# KiCad board main.kicad_pcb (continued)
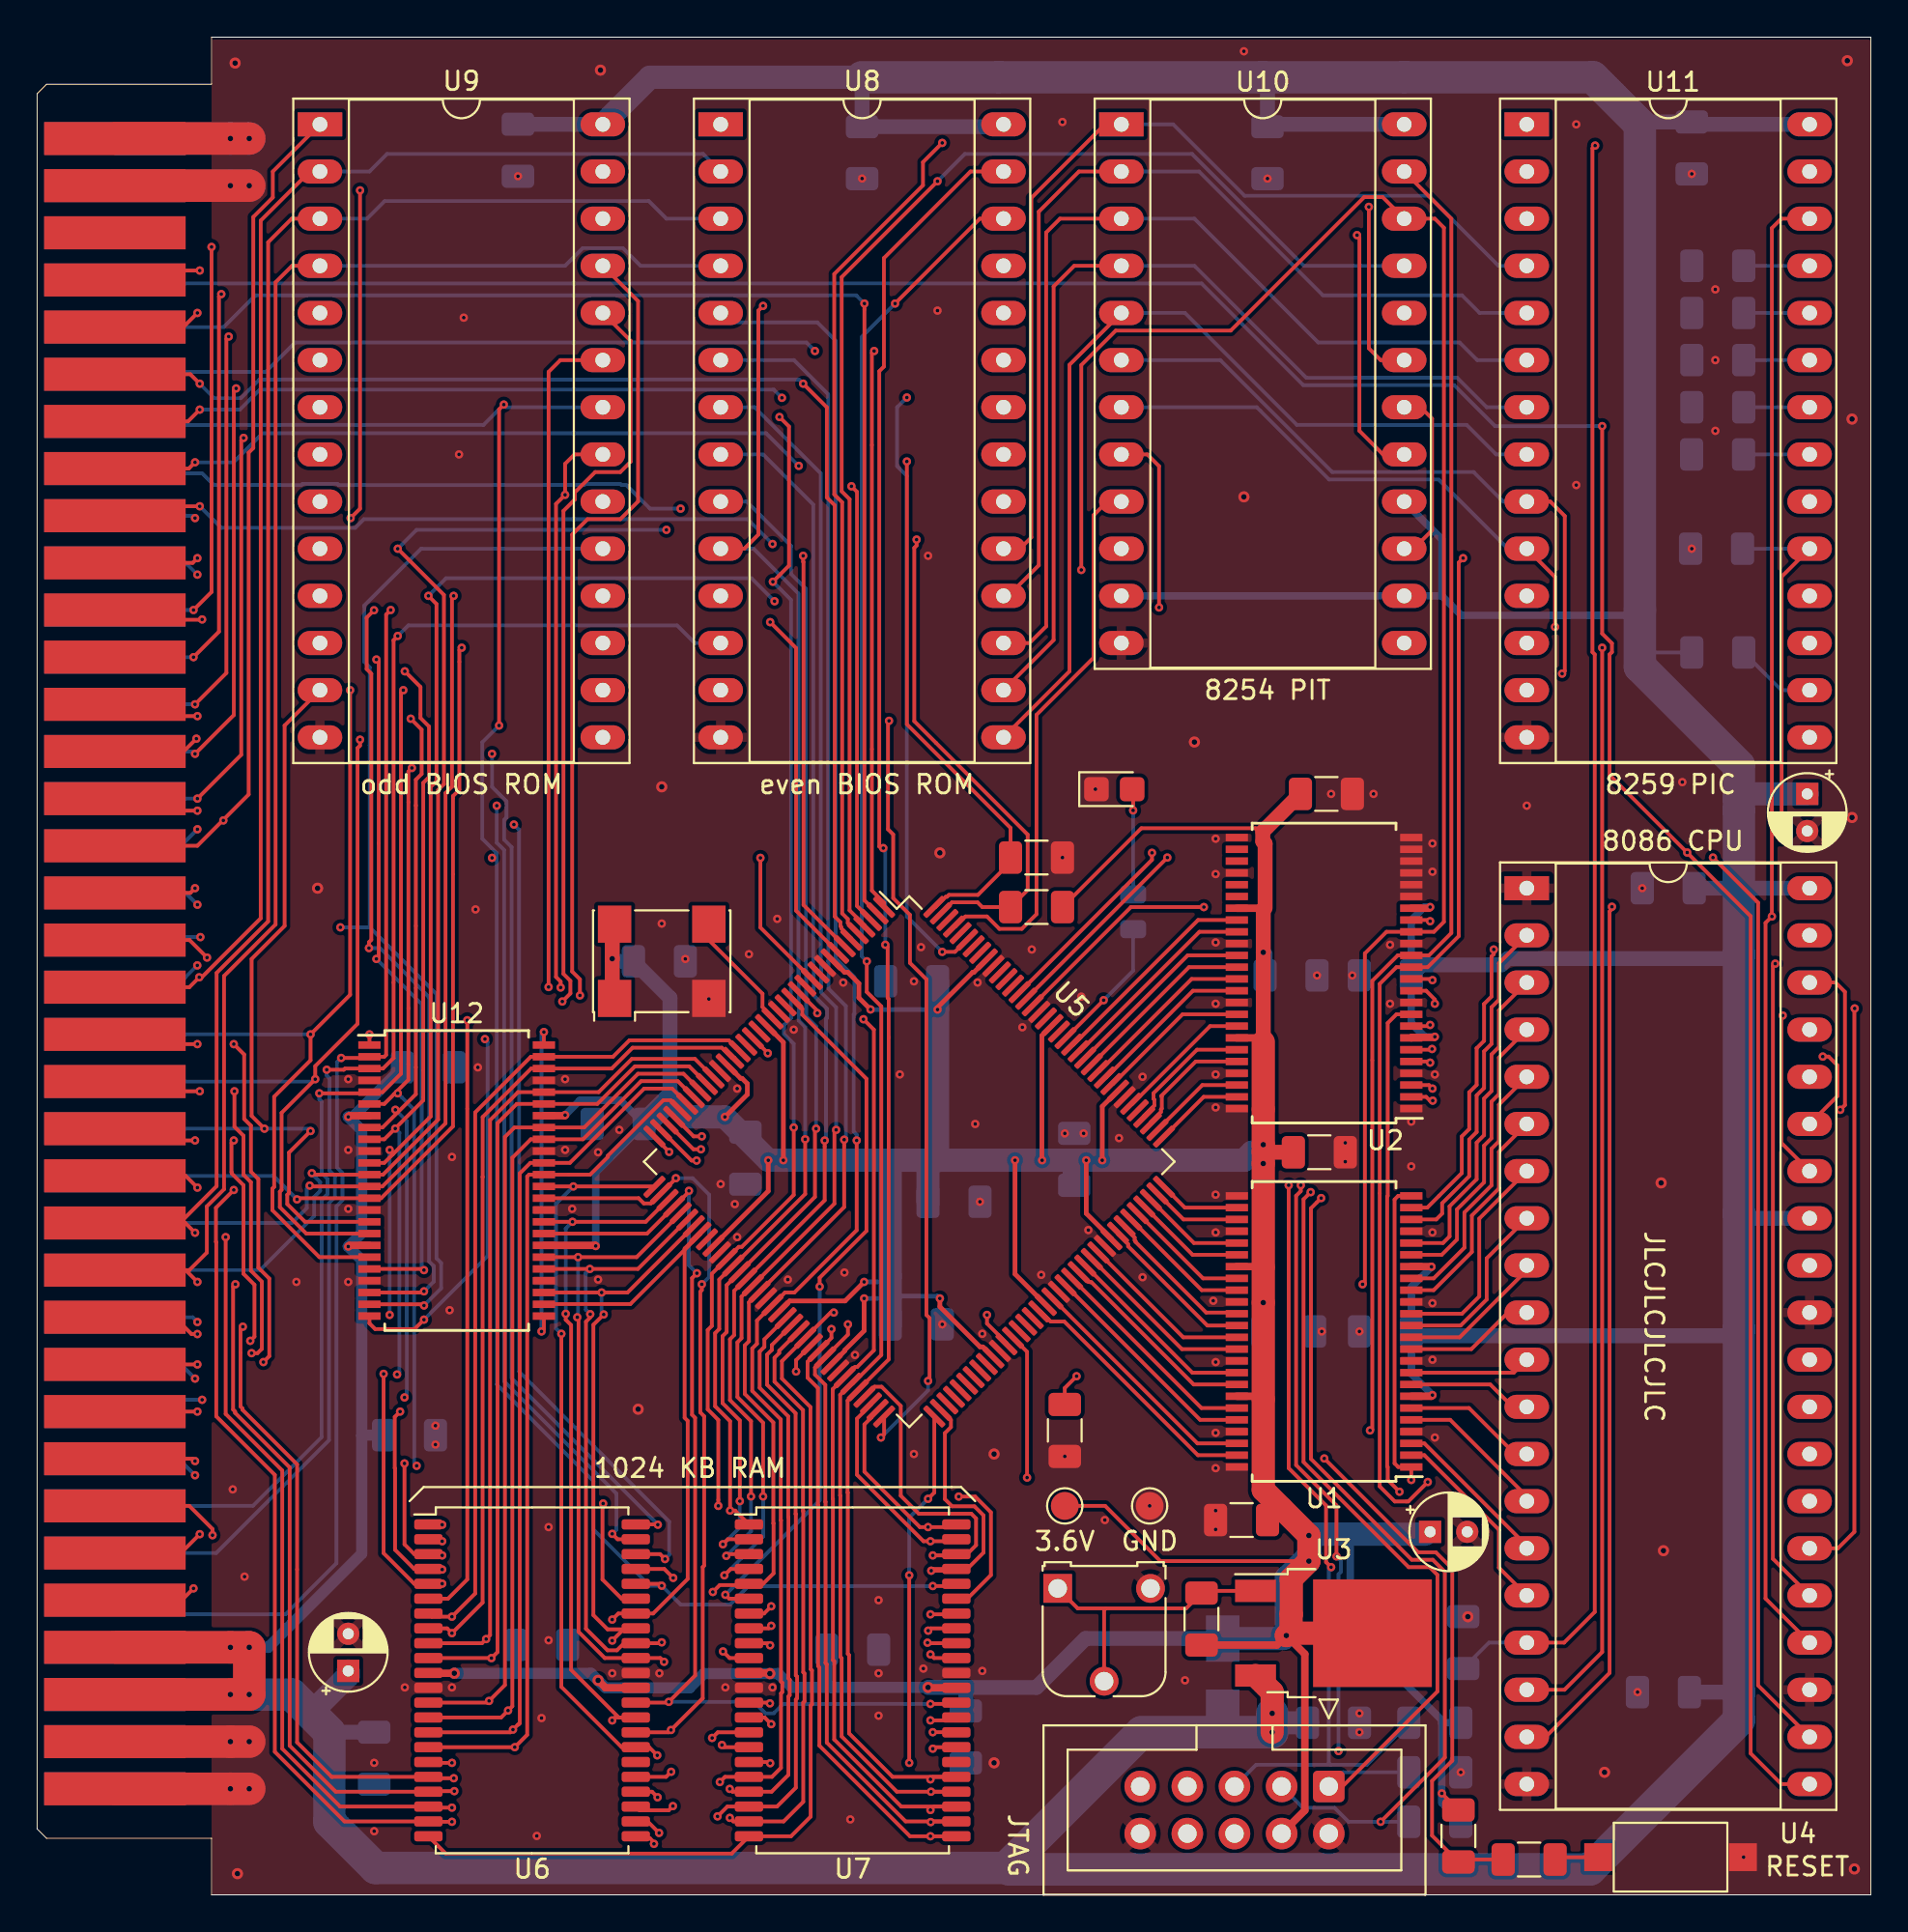
[diagram p0: board, top side]
## Routing (per net, layer and track width the routed paths; a pad name or vN(x,y) marks a point on that pad's centre or on a via; arc(x,y) is an arc through that point) (continued)
IRQ3: length 113.3
  Top w0.2: v1(11.12,78.49) 11,78.36 11,61.42 v1(8.64,59.06)
  In2.Cu w0.2: v1(11.12,78.49) 11.56,78.49 11.62,78.55 81.21,78.55 82.16,77.6 U11.21
  Bottom w0.2: X2.58 v1(8.64,59.05) ; U11.21 R10.1
IRQ4: length 115.6
  Top w0.2: v1(8.51,61.47) 10.6,63.56 10.6,81.03 v1(10.72,81.15)
  In2.Cu w0.2: U11.22 93.71,78.34 84.33,78.34 83.72,78.95 39.91,78.95 37.53,81.33 35.72,81.33 35.39,81.66 11.23,81.66 v1(10.72,81.15)
  Bottom w0.2: X2.59 8.38,61.59 v1(8.51,61.47) ; U11.22 R11.1
IRQ5: length 114.3
  Top w0.2: v1(8.51,64.13) 10.2,65.82 10.2,83.82 v1(10.32,83.95)
  In2.Cu w0.2: v1(10.32,83.95) 10.58,84.2 33.4,84.2 33.91,83.69 94.49,83.69 U11.23
  Bottom w0.2: X2.60 v1(8.51,64.13) ; U11.23 92.01,82.68
IRQ6: length 114.6
  Top w0.2: v1(8.43,66.67) 9.8,68.05 9.8,86.11 v1(9.92,86.23)
  In2.Cu w0.2: v1(9.92,86.23) 10.43,86.74 35.39,86.74 35.72,86.41 37.94,86.41 38.27,86.74 80.63,86.74 82.16,85.22 U11.24
  Bottom w0.2: U11.24 92.02,85.22 ; v1(8.43,66.67) X2.61
IRQ7: length 114.3
  Top w0.2: v1(9.4,88.77) 9.4,70.19 v1(8.43,69.22)
  In2.Cu w0.2: v1(9.4,88.77) 94.49,88.77 U11.25
  Bottom w0.2: R14.1 U11.25 ; X2.62 v1(8.43,69.22)
LAD0: length 13.8
  Top w0.2: U5.89 54.07,31.43 54.61,30.88 55.35,30.88 62.55,23.69 U1.47
LAD1: length 13.2
  Top w0.2: U1.46 62.52,24.32 U5.91
LAD2: length 12.2
  Top w0.2: U5.93 62.66,25.59 U1.44
LAD3: length 11.8
  Top w0.2: U1.43 62.74,26.23 U5.94
LAD4: length 11
  Top w0.2: U5.95 56.65,33.02 56.72,33.02 56.73,33.01 56.8,33.01 62.31,27.5 U1.41
LAD5: length 10.6
  Top w0.2: U1.40 62.25,28.13 U5.96
LAD6: length 9.8
  Top w0.2: U1.38 61.68,29.4 U5.97
LAD7: length 9.4
  Top w0.2: U5.98 61.75,30.04 U1.37
LAD8: length 8.6
  Top w0.2: U5.101 58.24,35.6 58.78,35.06 58.78,34.94 63.06,30.67 U1.36
LAD9: length 8.2
  Top w0.2: U1.35 64.2,31.31 64.13,31.37 62.99,31.37 59.18,35.18 59.18,35.22 59.14,35.27 59.14,35.41 58.6,35.95 U5.102
LAD10: length 7.3
  Top w0.2: U1.33 62.75,32.58 U5.103
LAD11: length 6.8
  Top w0.2: U1.32 62.82,33.21 U5.104
LAD12: length 6.1
  Top w0.2: U5.105 62.26,34.48 U1.30
LAD13: length 5.6
  Top w0.2: U5.106 62.33,35.12 U1.29
LAD14: length 4.9
  Top w0.2: U5.107 61.77,36.39 U1.27
LAD15: length 4.4
  Top w0.2: U5.108 61.84,37.02 U1.26
LAD16: length 4.8
  Top w0.2: U5.109 62.86,42.99 U2.47
LAD17: length 5.3
  Top w0.2: U5.110 62.78,43.62 U2.46
LAD18: length 6.6
  Top w0.2: U2.44 62.43,44.89 60.57,43.03 60.6,43 60.6,42.36 60.55,42.31 60.55,42.17 60.01,41.63 U5.111
LAD19: length 7
  Top w0.2: U2.43 62.5,45.53 60.15,43.18 60.15,42.88 60.2,42.83 60.2,42.52 59.66,41.98 U5.112
LD0: length 64.1
  Top w0.2: U5.23 37.27,46.03 31.92,46.03 31.03,45.15 U12.47 26.6,45.15 23.6,42.15 23.6,16.24 v1(22.35,14.99) 21.25,14.99 U6.7 ; U7.7 39.17,15.16 v1(39.56,15.55)
  In2.Cu w0.2: v1(22.35,14.99) 23.09,15.73 36.74,15.73 36.83,15.64 39.46,15.64 v1(39.56,15.55)
LD1: length 64.3
  Top w0.2: U5.24 37.58,45.09 37.44,45.09 36.89,45.63 32.08,45.63 30.96,44.51 U12.46 26.62,44.51 24.01,41.9 24.01,38.67 24,38.67 24,15.75 v1(22.35,14.1) 22.09,14.36 U6.8 ; U7.8 39.42,14.36 v1(39.56,14.49)
  In2.Cu w0.2: v1(39.56,14.49) 38.14,14.49 37.8,14.84 36.5,14.84 36.41,14.93 32.96,14.93 32.34,14.3 22.56,14.3 v1(22.35,14.1)
LD2: length 62.5
  Top w0.2: U6.9 23.97,13.56 v1(24.19,13.78) 24.41,13.99 24.41,41.74 25.91,43.24 U12.44 30.26,43.24 32.05,45.03 35.44,45.03 U5.27 ; U7.9 39.38,13.56 v1(39.49,13.44)
  In2.Cu w0.2: v1(39.49,13.44) 38.06,13.44 37.47,14.04 36.17,14.04 36.08,14.13 33.38,14.13 32.41,13.16 24.82,13.16 v1(24.19,13.78)
LD3: length 59.5
  Top w0.2: U6.10 24.48,12.76 v1(24.48,12.75) 24.81,13.08 24.81,41.57 25.84,42.61 U12.43 30.19,42.61 32.21,44.63 35.14,44.63 U5.28 ; U7.10 37.31,12.76 v1(36.96,13.11)
  In2.Cu w0.2: v1(24.48,12.75) 33.2,12.75 33.53,13.08 36.92,13.08 v1(36.96,13.11)
LD4: length 63.1
  Top w0.2: U5.29 34.83,44.23 32.38,44.23 29.48,41.34 U12.41 25.72,41.34 25.21,40.83 25.21,11.3 v1(24.35,10.45) 24.26,10.36 U6.13 ; U7.13 39.44,10.36 v1(39.48,10.32)
  In2.Cu w0.2: v1(39.48,10.32) 34.89,10.32 34.29,10.92 24.82,10.92 v1(24.35,10.45)
LD5: length 62.2
  Top w0.2: U7.14 39.2,9.56 v1(39.56,9.2) ; U6.14 25,9.56 v1(25.38,9.93) 25.61,10.16 25.61,39.71 26.6,40.7 U12.40 29.41,40.7 32.54,43.83 34.52,43.83 U5.30
  In2.Cu w0.2: v1(39.56,9.2) 38.88,9.87 32.72,9.87 32.44,10.16 25.6,10.16 v1(25.38,9.93)
LD6: length 59.1
  Top w0.2: U5.31 34.21,43.43 32.71,43.43 28.71,39.43 U12.38 26.58,39.43 26.01,38.86 26.01,9.24 25.94,9.17 25.91,9.17 v1(25.64,8.9) 25.49,8.76 U6.15 ; U7.15 36.67,8.76 v1(36.37,8.45)
  In2.Cu w0.2: v1(36.37,8.45) 36.27,8.36 33.88,8.36 33.55,8.68 25.86,8.68 v1(25.64,8.9)
LD7: length 58.9
  Top w0.2: U7.16 37.02,7.96 v1(36.9,8.07) ; U5.32 34.13,42.81 33.74,42.81 30.75,39.82 30.75,39.75 29.8,38.8 U12.37 26.51,38.8 26.41,38.7 26.41,8.63 v1(25.74,7.96) U6.16
  In2.Cu w0.2: v1(36.9,8.07) 36.75,7.93 36.12,7.93 36.09,7.96 33.71,7.96 33.45,8.21 25.99,8.21 v1(25.74,7.96)
LD8: length 56.4
  Top w0.2: U12.36 v1(28.89,38.16) 33.24,38.16 U5.37 ; U7.29 48.34,7.96 v1(48.26,7.87) ; v1(28.25,30.23) 28.25,11.21 31.49,7.96 U6.29 32.97,7.96 v1(33.41,7.52)
  In2.Cu w0.2: v1(48.26,7.87) 37.47,7.87 37.13,7.53 35.95,7.53 35.92,7.56 33.45,7.56 v1(33.41,7.52)
  Bottom w0.2: v1(28.89,38.16) 27.96,37.23 27.96,30.52 v1(28.25,30.23)
LD9: length 57.7
  Top w0.2: U6.30 34.03,8.76 v1(34.15,8.88) 34.16,8.88 35.86,10.59 35.86,17.66 35.94,17.74 35.94,25.78 35.73,25.99 35.73,32.49 35.81,32.57 v1(35.81,32.89) ; v1(34.42,38.61) 34.42,38.59 U5.38 33.07,37.25 32.69,37.25 32.41,37.53 U12.35 ; U7.30 49.52,8.76 v1(48.26,8.76)
  In2.Cu w0.2: v1(34.15,8.88) 34.25,8.98 36.91,8.98 37.61,8.27 47.77,8.27 v1(48.26,8.76)
  Bottom w0.2: v1(34.42,38.61) 35.32,38.61 36.21,37.71 36.21,33.29 v1(35.81,32.89)
LD10: length 56.7
  Top w0.2: v1(48.13,9.4) 49.37,9.4 U7.31 ; U5.39 32.79,36.26 v1(28.85,36.26) U12.33 ; v1(30.99,9.4) 31.15,9.56 U6.31 31.34,9.56 28.77,12.12 28.77,30.69 28.48,30.98 v1(28.48,31.3)
  In2.Cu w0.2: v1(48.13,9.4) 47.41,8.67 37.78,8.67 37.04,9.41 31,9.41 v1(30.99,9.4)
  Bottom w0.2: v1(28.48,31.3) 28.48,35.89 v1(28.85,36.26)
LD11: length 55.1
  Top w0.2: v1(48.13,10.29) 49.46,10.29 U7.32 ; v1(35.55,33.49) 35.29,33.23 35.29,25.87 35.45,25.7 35.45,11.82 v1(34.04,10.4) 34,10.36 U6.32 ; v1(35.12,37.93) 35.12,37.88 U5.40 32.86,35.62 U12.32
  Bottom w0.2: v1(35.12,37.93) 35.12,33.91 v1(35.55,33.49) ; v1(34.04,10.4) 38.63,10.4 39.24,9.78 39.69,9.78 40.2,10.29 v1(48.13,10.29)
LD12: length 49.9
  Top w0.2: v1(33.78,12.55) 33.58,12.76 U6.35 30.59,12.76 29.17,14.17 29.17,31.05 v1(29.11,31.12) ; U7.35 48.33,12.76 v1(48.13,12.95) ; U12.30 v1(29.15,34.35) 32.3,34.35 U5.41
  In2.Cu w0.2: v1(48.13,12.95) 40.35,12.95 39.91,12.52 33.82,12.52 v1(33.78,12.55)
  Bottom w0.2: v1(29.11,31.12) 29.15,31.16 v1(29.15,34.35)
LD13: length 49.7
  Top w0.2: v1(47.98,13.58) 48,13.56 U7.36 ; U5.42 32.37,33.72 v1(29.78,33.72) U12.29 ; v1(33.66,13.6) 33.61,13.56 U6.36 31.62,13.56 31.24,13.17 30.74,13.17 29.57,14.34 29.57,30.88 29.8,31.11 v1(29.8,31.28)
  In2.Cu w0.2: v1(47.98,13.58) 47.75,13.36 40.19,13.36 39.75,12.92 37.93,12.92 37.21,13.64 33.69,13.64 v1(33.66,13.6)
  Bottom w0.2: v1(29.78,33.72) 29.56,33.49 29.56,31.53 v1(29.8,31.28)
LD14: length 50.7
  Top w0.2: v1(30.53,31.27) 29.97,30.71 29.97,15.07 30.74,14.3 32.21,14.3 U6.37 31.65,14.36 v1(30.99,13.7) ; v1(48.01,14.23) 48.14,14.36 U7.37 ; U12.27 v1(30.42,32.45) 31.81,32.45 U5.43
  In2.Cu w0.2: v1(30.99,13.7) 32.3,13.7 33.13,14.53 36.24,14.53 36.33,14.44 37.63,14.44 38.1,13.97 47.43,13.97 47.69,14.23 v1(48.01,14.23)
  Bottom w0.2: v1(30.53,31.27) 30.42,31.38 v1(30.42,32.45)
LD15: length 53
  Top w0.2: v1(48.13,15.11) 49.49,15.11 U7.38 ; U12.26 27.32,31.83 31.97,31.83 35.74,35.6 U5.44 34.89,34.82 34.89,25.7 35.05,25.54 35.05,17.02 33.19,15.16 U6.38 31.32,15.16 v1(30.99,14.83)
  In2.Cu w0.2: v1(48.13,15.11) 47.81,15.11 47.72,15.02 39.3,15.02 39.08,15.24 36.67,15.24 36.58,15.33 31.49,15.33 v1(30.99,14.83)
M_~{IO}: length 152.5
  Top w0.2: v1(76.84,72.01) 76.6,71.77 76.6,51.65 74.92,49.97 U2.13 73.24,49.97 72.34,49.07 72.34,22 73.15,21.19 73.88,21.19 v1(74.93,22.24)
  In2.Cu w0.2: v1(76.84,72.01) 76.39,71.57 61.46,71.57 58.96,74.07 35.28,74.07 v1(34.67,74.68) ; U4.28 94.11,23.75 93.16,22.8 75.49,22.8 v1(74.93,22.24)
  Bottom w0.2: v1(34.67,74.68) 33.02,74.68 31.75,75.95 31.48,75.95 31.42,76.01 29.54,76.01 29.48,75.95 16.24,75.95 16.18,76.01 14.3,76.01 14.24,75.95 9.52,75.95 8.89,76.58 4.45,76.58 X2.65
M_~{IO}_3: length 10
  Top w0.2: U5.120 62.06,49.97 U2.36
NMI: length 174.3
  Top w0.2: U4.17 82.28,13.59 83.93,15.24 83.93,66.82 83.8,66.95 83.8,94.09 v1(83.95,94.23) ; v1(8.64,85.22) 7.87,84.45 X2.32
  In2.Cu w0.2: v1(83.95,94.23) 83.57,93.85 38.27,93.85 37.94,94.19 35.72,94.19 35.39,93.85 18.65,93.85 16.1,91.3 10.58,91.3 8.24,88.96 8.24,85.62 v1(8.64,85.22)
  Bottom w0.2: U4.17 78.23,13.59 R6.1
PCLK: length 76.3
  Top w0.2: U5.139 49.45,50.8 v1(48.77,50.8) ; v1(8.76,80.01) 8.13,79.38 X2.30
  In2.Cu w0.2: v1(40.13,80.64) 46.85,80.64 v1(46.86,80.66)
  Bottom w0.2: v1(40.13,80.64) 39.69,81.09 12,81.09 10.92,80.01 v1(8.76,80.01) ; v1(46.86,80.66) 46.34,80.14 46.34,76.96 46.86,76.44 46.86,52.7 v1(48.77,50.8)
PIT_CLK: length 55.8
  Top w0.2: U5.141 49.47,52.16 50.02,52.71 51.18,52.71 51.85,52.04 53.05,52.04 53.85,52.83 53.85,63.57 56.92,66.64 56.92,74.32 57.66,75.06 U10.9 ; U10.15 74.17,72.52 75.16,73.51 75.16,79.53 74.55,80.14 U10.18
  In2.Cu w0.2: U10.9 60.07,75.06 62.61,72.52 U10.15
RDY1: length 71.6
  Top w0.2: U5.143 49.29,53.47 50.67,53.47 50.93,53.21 R8.2 53.37,54.14 53.37,57.12 47.26,63.23 47.26,72.56 47.39,72.69 v1(47.39,73.01) ; v1(8.76,74.8) 4.7,74.8 X2.28
  In2.Cu w0.2: v1(39.62,72.77) 39.86,73.01 v1(47.39,73.01)
  Bottom w0.2: v1(8.76,74.8) 9.92,73.64 17.14,73.64 17.61,74.11 38.29,74.11 v1(39.62,72.77)
RDY2: length 73.3
  Top w0.2: v1(46.86,77.22) 46.86,63.06 52.45,57.48 R7.2 52.45,55.62 50.69,53.87 49.13,53.87 49.03,53.77 48.96,53.77 48.41,53.22 U5.144 ; v1(8.51,77.17) 8.17,76.83 X2.29
  In2.Cu w0.2: v1(41.04,76.98) 46.63,76.98 v1(46.86,77.22)
  Bottom w0.2: v1(41.04,76.98) 39.28,78.74 12.15,78.74 10.59,77.17 v1(8.51,77.17)
READY: length 89.9
  Top w0.2: v1(90.3,55.88) 92.73,53.45 92.73,11.28 U4.22 ; v1(60.9,55.88) 60.9,55.88 U5.130
  In2.Cu w0.2: v1(90.3,55.88) 90.04,55.63 75.45,55.63 75.44,55.64 74.93,55.64 74.91,55.63 61.15,55.63 v1(60.9,55.88)
RESET: length 201.8
  Top w0.2: v1(60.07,56.13) 60.07,55.76 U5.131 ; U4.21 93.98,5.97 92.33,7.62 92.33,52.72 84.73,60.33 84.73,66.82 84.85,66.95 84.85,67.42 84.33,67.94 v1(84.33,79.12)
  In2.Cu w0.2: v1(88.91,56.15) 88.78,56.03 75.69,56.03 75.67,56.04 74.77,56.04 74.75,56.03 61.53,56.03 61.15,56.41 60.34,56.41 v1(60.07,56.13)
  Bottom w0.2: X2.69 4.38,86.81 62.74,86.81 68.22,81.33 76.35,81.33 78.56,79.12 v1(84.33,79.12)
TCK: length 82.2
  Top w0.2: v1(35.53,39.56) 35.26,39.56 U5.35 ; v1(68.62,37.86) 68.24,37.47 68.24,23.32 73.9,17.65 75.03,17.65 75.45,17.24 75.45,10.96 70.34,5.84 J1.1
  In2.Cu w0.2: v1(68.62,37.86) 68.46,37.86 67.8,37.19 63.25,37.19 62.45,38 40.79,38 39.37,36.58 37.21,36.58 35.53,38.25 v1(35.53,39.56)
  Bottom w0.2: J1.1 70.36,6.6 R1.1
TDI: length 79.1
  Top w0.2: U5.34 35.36,40.16 v1(35.77,40.16) ; v1(68.09,38.23) 68.09,37.91 67.84,37.66 67.84,23.15 70.01,20.98 v1(70.01,18.24)
  In2.Cu w0.2: v1(68.09,38.23) 68.09,38.1 67.69,37.7 67.2,37.7 66.51,38.4 37.53,38.4 v1(35.77,40.16) ; v1(70.12,7.75) 61.34,7.75 J1.9
  Bottom w0.2: v1(70.01,18.24) 70.25,18 70.25,17.4 70.12,17.27 v1(70.12,7.75)
TDO: length 86.2
  Top w0.2: v1(69.19,37.54) 68.64,36.99 68.64,23.48 74.07,18.05 75.2,18.05 75.85,17.4 75.85,7.4 v1(72.39,3.94) ; U5.36 33.26,40.81 v1(34.05,40.02)
  In2.Cu w0.2: v1(69.19,37.54) 68.33,36.68 40.04,36.68 39.54,36.18 36.09,36.18 33.83,38.43 33.83,39.8 v1(34.05,40.02)
  Bottom w0.2: J1.3 68.21,4.69 69.91,4.69 70.66,3.94 v1(72.39,3.94) R2.2
TMR2: length 82.3
  Top w0.2: v1(8.76,87.5) 4.7,87.5 X2.33 ; U10.17 72.52,77.6 71.25,78.87 71.25,89.28 v1(71.12,89.41)
  In2.Cu w0.2: v1(71.12,89.41) 71.06,89.34 9.19,89.34 8.76,88.92 v1(8.76,87.5)
TMS: length 77.7
  Top w0.2: v1(69.72,17.65) 69.45,17.93 69.45,20.97 67.44,22.99 v1(67.44,38.23) ; v1(35.81,40.86) 35.37,40.86 U5.33
  In2.Cu w0.2: v1(67.44,38.23) 66.87,38.8 37.88,38.8 v1(35.81,40.86)
  Bottom w0.2: 69.7,7 69.6,7.11 69.6,17.53 v1(69.72,17.65) ; 69.7,7 65.68,7 J1.5 ; 69.7,7 71.64,7 R3.2
~{BHE}: length 136.1
  Top w0.2: v1(24.89,62.99) 24.89,80.03 v1(25.15,80.28) ; U7.40 49.41,16.64 v1(48.26,16.64) ; U6.40 33.55,16.76 v1(33.66,16.65) ; U5.12 38.97,52.11 v1(38.97,55.86)
  In2.Cu w0.2: v1(38.97,55.86) v1(24.51,55.86)
  Bottom w0.2: 24.77,56.11 24.76,56.11 v1(24.51,55.86) ; 24.77,56.11 23.99,56.89 23.99,62.09 v1(24.89,62.99) ; 24.77,56.11 24.77,27.5 29.97,22.29 29.97,19.69 33,16.65 v1(33.66,16.65) 34.67,15.64 37.34,15.64 38.33,16.64 v1(48.26,16.64) ; X2.66 4.38,79.19 24.05,79.19 v1(25.15,80.28) 25.29,80.14 U9.22
~{BHE}_S7: length 29.5
  Top w0.2: v1(94.05,47.37) 93.98,47.3 93.98,40.51 U4.34 ; U2.8 74.99,46.8 v1(75.06,46.86)
  In2.Cu w0.2: v1(75.06,46.86) 75.79,47.6 93.83,47.6 v1(94.05,47.37)
~{BHE}_S7_3: length 7.4
  Top w0.2: U2.41 63.2,46.8 59.02,42.62 U5.114
~{DATA_DIR}: length 43.9
  Top w0.2: U12.1 17.91,45.78 v1(17.91,46.35) ; v1(39.37,45.34) 39.37,45.35 U5.21 ; U12.24 17.91,30.79 18.21,30.48 20.34,30.48 v1(20.85,30.99)
  In2.Cu w0.2: v1(39.37,45.34) 29.73,45.34 29.2,45.88 24.35,45.88 v1(24.13,46.1) 23.88,46.35 v1(17.91,46.35)
  Bottom w0.2: v1(24.13,46.1) 24.27,45.96 24.27,34.42 v1(20.85,30.99)
~{DEN_3}: length 9
  Top w0.2: U5.118 57.61,44.03 62.28,48.7 U2.38
~{DEN}: length 55.4
  Top w0.2: v1(75.31,48.01) 75.31,48.24 74.84,48.7 U2.11 ; v1(97.93,47.75) 97.92,47.73 97.92,19.56 97.03,18.67 U4.26
  In2.Cu w0.2: v1(97.93,47.75) 97.68,48.01 v1(75.31,48.01)
~{INTA_3}: length 11.7
  Top w0.2: U2.32 62.55,52.51 55.84,45.8 U5.123
~{INTA}: length 99.1
  Top w0.2: U11.26 93.98,90.3 93.47,89.79 v1(93.47,52.7) 93.13,52.36 93.13,15.96 U4.24 ; U2.17 74.99,52.51 v1(75.06,52.45)
  In2.Cu w0.2: v1(75.06,52.45) 75.31,52.7 v1(93.47,52.7)
~{IO_DBG}: length 69.2
  Top w0.2: X2.31 8.26,81.91 v1(8.76,81.41) ; U5.6 43.87,51.53 43.33,52.07 43.33,52.14 43.28,52.19 43.28,52.4 42.98,52.7 42.98,74.85 42.55,75.28 42.55,80.13 v1(41.27,81.41)
  Bottom w0.2: v1(8.76,81.41) 9.54,80.63 10.98,80.63 11.98,81.63 41.05,81.63 v1(41.27,81.41)
~{IO_PIC}: length 77.4
  Top w0.2: v1(48.77,94.38) 47.73,93.34 47.73,92.1 42.95,87.31 42.95,75.44 43.38,75.02 43.38,52.87 43.68,52.56 43.68,52.35 U5.5
  In2.Cu w0.2: U11.1 77.85,95.38 76.85,94.38 v1(48.77,94.38)
~{IO_TIMER}: length 71.1
  Top w0.2: v1(48.51,92.31) 43.35,87.15 43.35,75.61 43.78,75.18 43.78,53.03 44.58,52.23 U5.4
  Bottom w0.2: v1(48.51,92.31) 49.99,93.79 62.23,93.79 68.26,87.76 U10.21
~{LMEMRD}: length 30.8
  Top w0.2: U5.74 49.24,25.58 49.24,25.2 48.91,24.87 48.91,21.32 49.3,20.93 50.5,20.93 50.99,20.44 50.99,18.44 50.02,17.46 v1(48.18,17.46) 48.27,17.56 U7.41 ; U6.41 33.79,17.56 v1(34.27,17.08)
  In2.Cu w0.2: v1(34.27,17.08) 34.5,16.85 36.62,16.85 36.78,16.69 47.4,16.69 v1(48.18,17.46)
~{LMEMWR}: length 46.6
  Top w0.2: v1(46.99,17.21) v1(46.99,7.11) ; v1(48.01,21.34) 48.34,21.67 U5.73 ; v1(22.35,7.11) 21.13,7.11 U6.17 ; U7.17 39.43,7.16 v1(39.5,7.09)
  In2.Cu w0.2: v1(46.99,7.11) 39.51,7.11 v1(39.5,7.09) 34.94,7.09 34.88,7.16 33.91,7.16 33.64,6.89 22.58,6.89 v1(22.35,7.11)
  Bottom w0.2: v1(48.01,21.34) 46.99,20.32 v1(46.99,17.21)
~{MEMRD}: length 72.1
  Top w0.2: U5.1 45.64,53.44 44.98,54.1 44.98,83.06 44.99,83.06 v1(45.1,83.17)
  In2.Cu w0.2: v1(45.1,83.17) v1(41.91,83.17)
  Bottom w0.2: v1(41.91,83.17) 41.45,83.63 13.9,83.63 12.32,82.04 4.32,82.04 X2.67
~{MEMWR}: length 74.4
  Top w0.2: U5.2 44.58,53.58 v1(44.58,85.72)
  Bottom w0.2: v1(44.58,85.72) 44.13,86.17 11.77,86.17 10.05,84.45 X2.68
~{OE_DATA}: length 46.2
  Top w0.2: U5.84 52.23,29.73 51.18,30.78 v1(51.18,31.24) ; U12.25 27.31,30.48 v1(27.18,30.35) ; v1(27.3,46.48) 27.3,45.78 U12.48
  In2.Cu w0.2: v1(51.18,31.24) 50.04,30.1 45.1,30.1 43.31,31.89 42.67,31.89 40.88,30.1 29.15,30.1 28.5,30.75 27.58,30.75 v1(27.18,30.35)
  Bottom w0.2: v1(27.3,46.48) 27.18,46.35 v1(27.18,30.35)
~{RAM0_CE}: length 53.2
  Top w0.2: v1(23.18,47.12) 23.18,16.99 22.14,15.96 U6.6 ; v1(42.04,47.5) 42.04,47.63 U5.14
  In2.Cu w0.2: v1(23.18,47.12) 40.5,47.12 40.51,47.13 41.02,47.13 41.04,47.12 41.66,47.12 v1(42.04,47.5)
~{RAM1_CE}: length 38.3
  Top w0.2: v1(42.16,32.77) 42.16,33.25 44.68,35.77 44.68,43.96 41.23,47.42 41.23,47.73 U5.15 ; v1(37.08,16.16) 37.29,15.96 U7.6
  Bottom w0.2: v1(37.08,16.16) 42.16,21.24 v1(42.16,32.77)
~{RD_3}: length 11.2
  Top w0.2: U2.33 62.63,51.88 56.19,45.45 U5.122
~{RD}: length 179.6
  Top w0.2: v1(71.42,32.89) 71.5,32.89 71.54,32.93 71.54,50.71 72.71,51.88 U2.16 75.26,51.88 75.8,52.42 75.8,89.81 75.31,90.3 U10.22 72.5,91.46 71.5,91.46 64.31,84.27 58.12,84.27 56.26,82.41 v1(56.26,71.37)
  In2.Cu w0.2: v1(8.64,71.12) 8.95,71.12 9.1,70.98 38.63,70.98 39.39,70.21 39.9,70.21 41.06,71.37 v1(56.26,71.37) ; U10.22 U11.3 ; v1(71.42,32.89) 93.09,32.89 94.11,33.91 U4.32
  Bottom w0.2: v1(8.64,71.12) 8,71.75 X2.63
~{ROMRD}: length 46.3
  Top w0.2: U5.3 44.18,53.27 44.18,75.58 v1(43.88,75.88)
  In2.Cu w0.2: 43.88,76.01 33.84,76.01 32.89,75.06 U9.20 ; 43.88,76.01 46.29,76.01 47.24,75.06 U8.20 ; 43.88,76.01 v1(43.88,75.88)
~{VGA_IO}: length 55
  Top w0.2: v1(8.89,68.71) 8.87,68.69 4.72,68.69 X2.26 ; U5.8 40.89,53.02 40.89,67.17 v1(39.5,68.56)
  In2.Cu w0.2: v1(8.89,68.71) 9.14,68.45 39.39,68.45 v1(39.5,68.56)
~{VGA_MEM}: length 59.7
  Top w0.2: v1(41.27,72.14) 41.27,71.82 41.29,71.8 41.29,53.32 U5.7 ; v1(8.64,72.01) 8.38,71.75 X2.27
  In2.Cu w0.2: v1(8.64,72.01) 9.25,71.39 39.58,71.39 40.32,72.14 v1(41.27,72.14)
~{WR_3}: length 10.5
  Top w0.2: U5.121 61.99,50.61 U2.35
~{WR}: length 190.5
  Top w0.2: v1(71.82,25.02) 71.88,25.02 71.94,25.08 71.94,49.24 73.31,50.61 U2.14 74.99,50.61 76.2,51.82 76.2,90.3 U10.23 ; v1(17.4,91.82) 17.4,74.68 v1(16.89,74.17)
  In2.Cu w0.2: v1(17.4,91.82) 48.23,91.82 48.26,91.79 48.77,91.79 48.78,91.8 73.47,91.8 73.66,91.99 U10.23 U11.2 ; v1(8.51,74.17) 8.73,73.94 16.67,73.94 v1(16.89,74.17) ; U4.29 94.49,25.27 72.07,25.27 v1(71.82,25.02)
  Bottom w0.2: X2.64 8.38,74.29 v1(8.51,74.17)
Net-(D2-A): length 5.7
  Top w0.2: 58.98,59.56 59.05,59.48 v1(59.05,58.42)
  Bottom w0.2: R17.1 v1(59.05,58.42)
Net-(R15-Pad2): length 2.4
  Top w0.2: SW1.2 81.92,2.03 81.79,1.91
Net-(U3-ADJ): length 15.5
  Top w0.2: 57.59,15.43 56.07,15.43 RV1.1 ; 57.59,15.43 61.91,15.43 R4.2 62.86,16.38 U3.1 ; 57.59,15.43 57.49,15.34 RV1.2

## Copper pours and planes (outline as drawn; the poured copper is in the pictures)
GND on Top: 98.81,-0.13 9.4,-0.13 9.4,99.95 98.81,99.95
GND on Bottom: 98.81,-0.13 9.4,-0.13 9.4,99.95 98.81,99.95
GND on In1.Cu: 98.81,-0.13 9.4,-0.13 9.4,99.95 98.81,99.95
GND on In2.Cu: 98.81,-0.13 9.4,-0.13 9.4,99.95 98.81,99.95

## Text on the board
B.Silkscreen: github.com/svpetry/Mini8086 | Rev. 2.1   2020-2021 | Mini8086 main system board
F.Silkscreen: odd BIOS ROM | 1024 KB RAM | even BIOS ROM | 3.6V | GND | 8254 PIT | 8259 PIC | 8086 CPU | RESET | JTAG | JLCJLCJLCJLC
